# Altium PCB Copy of GPS_TRACKER_REVII.PcbDoc (part 1 of 2) (continued)
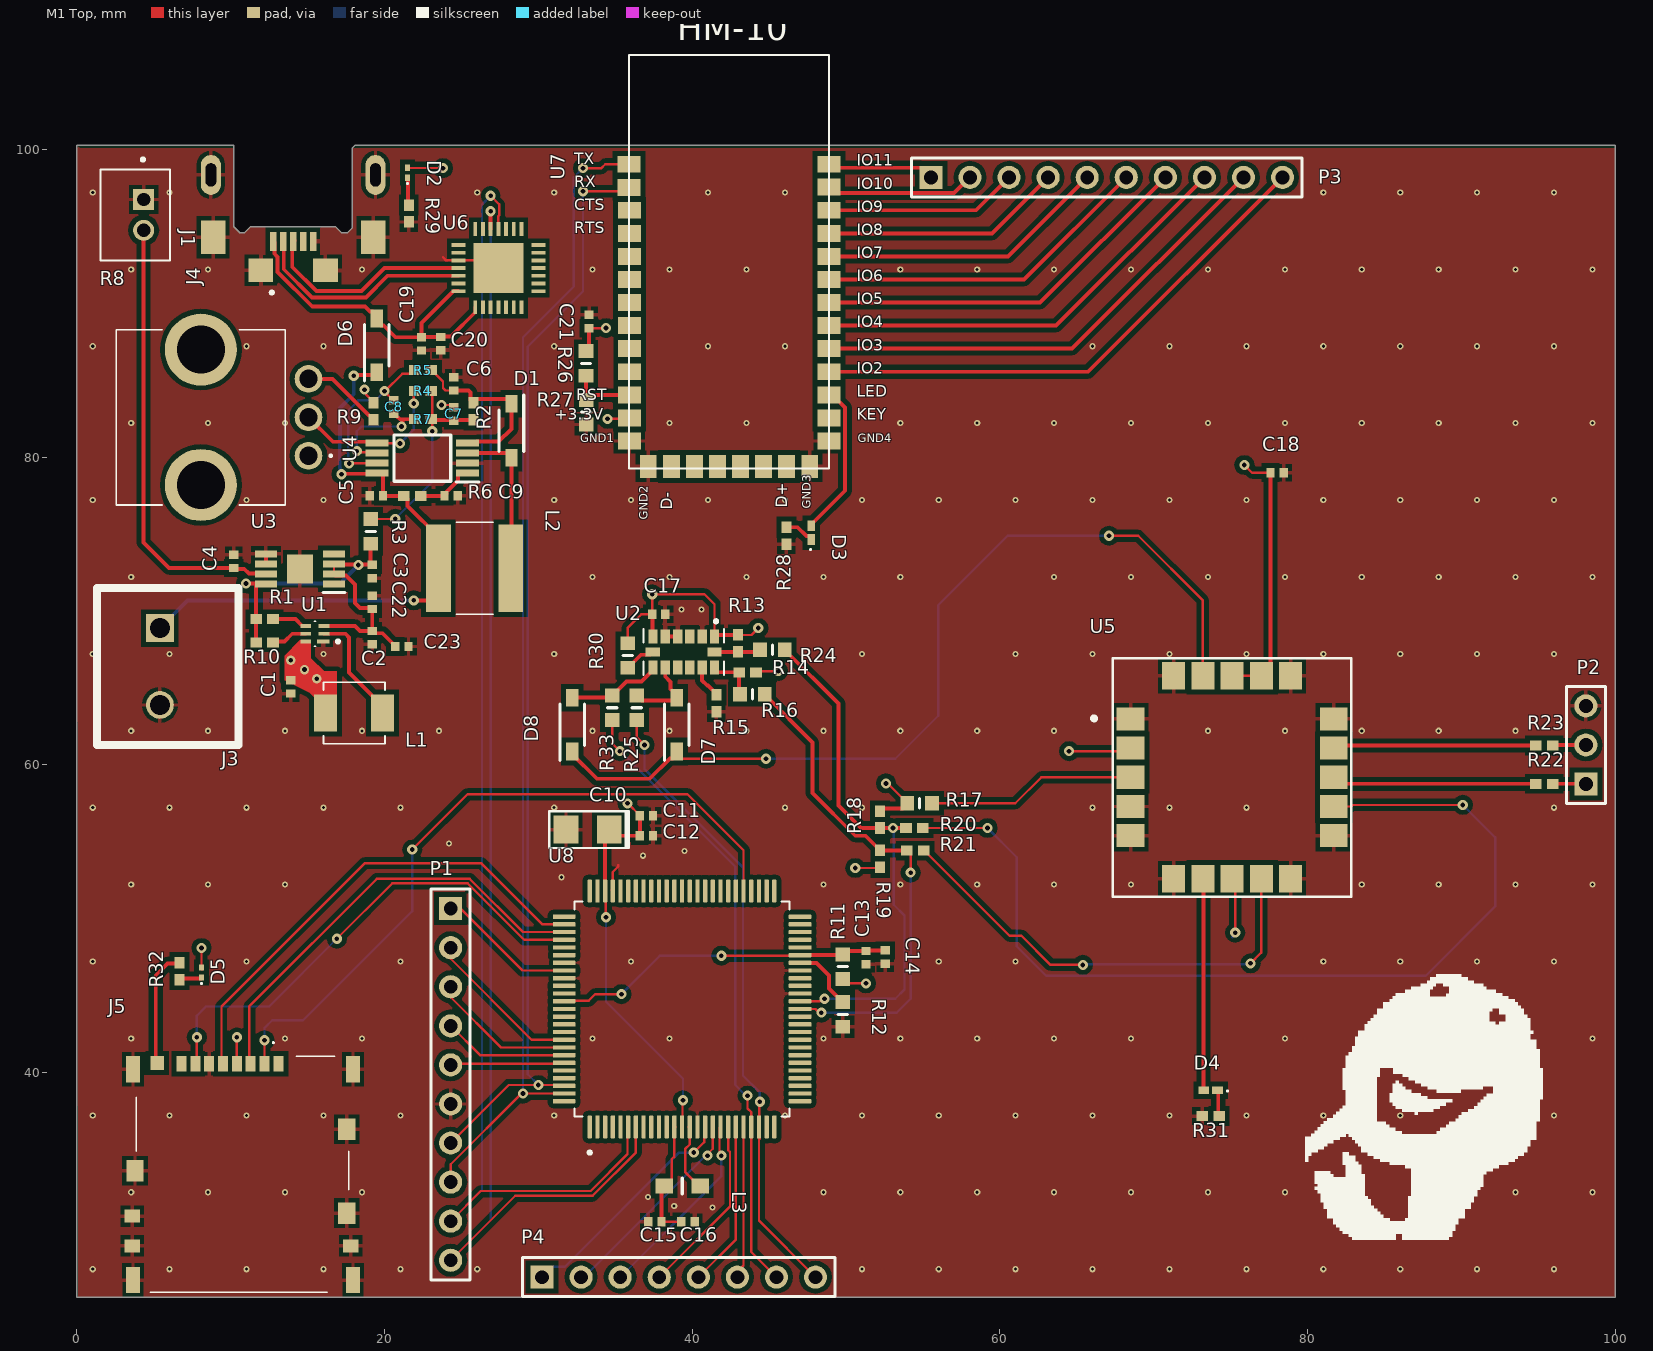
[diagram p0: M1 Top view]
## Components (designator, comment, footprint, x,y, rotation, side; value= is the part's Value field where it differs from the comment) (continued)
R19 "Resistor 0402 (1005 Metric)" "Thin-Film Resistor 0402 (1005 Metric)" 52.2,53.9 r270 top value=2.2k
R20 "Resistor 0402 (1005 Metric)" "Thin-Film Resistor 0402 (1005 Metric)" 54.45,55.875 r0 top value=22
R21 "Resistor 0402 (1005 Metric)" "Thin-Film Resistor 0402 (1005 Metric)" 54.5,54.4 r0 top value=22
R22 "Resistor 0402 (1005 Metric)" "Thin-Film Resistor 0402 (1005 Metric)" 95.4,58.8 r180 top value=470
R23 "Resistor 0402 (1005 Metric)" "Thin-Film Resistor 0402 (1005 Metric)" 95.4,61.3 r180 top value=470
R24 "Resistor 0603" "Resistor 0603" 45.2,67.5 r0 top value=0
R25 "Resistor 0603" "Resistor 0603" 36.4,63.7 r90 top value=0
R26 "Resistor 0603" "Resistor 0603" 33.104,86.116 r270 top value=0
R27 "Resistor 0603" "Resistor 0603" 33.104,82.916 r90 top value=0
R28 "Resistor 0402 (1005 Metric)" "Thin-Film Resistor 0402 (1005 Metric)" 46.1,74.9 r270 top value=390
R29 "Resistor 0402 (1005 Metric)" "Thin-Film Resistor 0402 (1005 Metric)" 21.55,95.85 r270 top value=390
R30 "Resistor 0603" "Resistor 0603" 35.8,67.1 r90 top value=0
R31 "Resistor 0402 (1005 Metric)" "Thin-Film Resistor 0402 (1005 Metric)" 73.7,37.2 r180 top value=390
R32 "Resistor 0402 (1005 Metric)" "Thin-Film Resistor 0402 (1005 Metric)" 6.7,46.6 r90 top value=390
R33 "Resistor 0603" "Resistor 0603" 34.8,63.7 r90 top value=0
U1 "MP2152GQFU-33-P" MP2152GQFU-33-P 15.5,68.6 r180 top
U2 "ADXL343" ADXL343 39.7,67.4 r270 top
U3 "LTC4071EMS8E#PBF" LTC4071EMS8E#PBF 14.514,72.7 r180 top
U4 "SPV1040TTR" SPV1040TTR 22.5,80 r180 top
U5 "SAM-M8" SAM-M8 75.1,59.2 r0 top
U6 "CP2102-GMR" CP2102-GMR 27.4,92.3 r0 top
U7 "HM-10" HM-10 42.3,92.1 r0 top
U8 "MSP432P401R" MSP432P401R 39.4,44 r90 top

## Footprints (in the part's own frame and the unit in brackets; to place one, negate y for a bottom-side part, rotate by r counter-clockwise, add the part's x,y. Pads: shape width x height; smd on the part's side, far side on the other; paste and mask are expansions set on the pad)
1206p [mm] "Chip Capacitor; Body 3.2 x 1.6 mm (LxW typ) polarized"
  rect 1.6x1.8 smd: 1(-1.4,0) 2(1.4,0)
  silkscreen extent -2.67,-1.2 2.5,1.2, body extent -1.6,-0.8 1.6,0.8, height 1
1255AY-100M=P3 [mm] "Fixed Inductors 10uH 56.4mOhms3.1A +/-20% 6.3x6.3x4.5mm"
  rect 1.6x5.7 smd: 1(-2.293,0.185) 2(2.407,0.185)
  silkscreen extent -1.14,-2.81 1.26,3.18, body extent -2.94,-2.81 3.06,3.18, height 4.6
693071030811 [mm] "9 (8 + 1) Position Card Connector Secure Digital - microSD™ Surface Mount, Right Angle Gold"
  rect 0.65x1 smd: 1(2.098,7.667) 2(1.198,7.667) 3(0.298,7.667) 4(-0.602,7.667) 5(-1.502,7.667) 6(-2.402,7.667) 7(-3.302,7.667) 8(-4.202,7.667)
  rect 0.9x0.9 smd: 9(-5.772,7.717)
  rect 1.13x1.4 smd: 10(-7.222,0.717) G11(6.543,-2.033) H11(6.543,3.417)
  rect 0.9x1.7 smd: A11(-7.352,7.317) D11(-7.352,-6.383) E11(6.948,-6.383) J11(6.948,7.317)
  rect 1x0.85 smd: B11(-7.402,-2.233) C11(-7.402,-4.163) F11(6.798,-4.163)
  silkscreen extent -7.13,-7.18 6.67,9.09, body extent -7.82,-7.18 7.31,8.17, height 1.5
ADXL343 [mm]
  rect 0.92x0.61 smd: 1(-0.95,1.75) 2(-0.95,0.95) 3(-0.95,0.15) 4(-0.95,-0.65) 5(-0.95,-1.45) 6(-0.95,-2.25) 8(1.07,-2.25) 9(1.07,-1.45) 10(1.07,-0.65) 11(1.07,0.15) 12(1.07,0.95) 13(1.07,1.75)
  rect 0.61x0.92 smd: 7(0.06,-2.26) 14(0.06,1.76)
  silkscreen extent -2.04,-2.87 1.56,2.37, body extent -1.56,-2.75 1.69,2.25, height 1.02
APHHS1005LQBC/D-V [mm] "Standard LEDs - SMD 1.0X0.5MM"
  rect 0.7x0.5 smd: 1(-0.45,-0.05) 2(0.45,-0.05)
  silkscreen extent -1.15,-0.05 -1.05,0.05, body extent -0.5,-0.3 0.5,0.2, height 0.7
B2B-PH-K-S(LF)(SN) [mm] "Connector Header Through Hole 2 position 0.079\" (2.00mm)"
  rect 1.368x1.368 hole 0.86: 1(1.008,-0.091)
  round 1.368 hole 0.86: 2(-0.992,-0.091)
  silkscreen extent -2.94,-1.79 3.71,2.71, body extent -2.92,-1.82 2.98,2.68, height 5.54
CAPC1005X55N [mm] "2.2µF ±10% 6.3V Ceramic Capacitor X6S 0402 (1005 Metric)"
  rect 0.54x0.6 smd: 1(-0.459,0) 2(0.405,0)
  body extent -0.53,-0.25 0.47,0.25, height 0.55
CP2102-GMR [mm] "USB Bridge, USB to UART USB 2.0 UART Interface 28-QFN (5x5)"
  rect 0.9x0.25 smd: 1(-2.6,1.5) 2(-2.6,1) 3(-2.6,0.5) 4(-2.6,0) 5(-2.6,-0.5) 6(-2.6,-1) 7(-2.6,-1.5) 15(2.6,-1.5) 16(2.6,-1) 17(2.6,-0.5) 18(2.6,0) 19(2.6,0.5) 20(2.6,1) 21(2.6,1.5)
  rect 3.25x3.25 smd: 3(0,0)
  rect 0.25x0.9 smd: 8(-1.5,-2.55) 9(-1,-2.55) 10(-0.5,-2.55) 11(0,-2.55) 12(0.5,-2.55) 13(1,-2.55) 14(1.5,-2.55) 22(1.5,2.55) 23(1,2.55) 24(0.5,2.55) 25(0,2.55) 26(-0.5,2.55) 27(-1,2.55) 28(-1.5,2.55)
  body extent -2.5,-2.5 2.5,2.5, height 1
"Diode SOD-123-2" [mm]
  rect 1.15x0.8 smd: 1(-1.725,0) 2(1.775,0)
  silkscreen extent -2.3,-0.8 1.37,0.8, body extent -1.83,-0.8 1.88,0.8, height 1.35
HDR1X3 [mm] "Connector; Header; 3 Position"
  rect 1.5x1.5 hole 0.9: 1(0,0)
  round 1.5 hole 0.9: 2(2.54,0) 3(5.08,0)
  silkscreen extent -1.27,-1.27 6.35,1.27
HDR1X8 [mm] "Connector; Header; 8 Position"
  rect 1.5x1.5 hole 0.9: 1(0,0)
  round 1.5 hole 0.9: 2(2.54,0) 3(5.08,0) 4(7.62,0) 5(10.16,0) 6(12.7,0) 7(15.24,0) 8(17.78,0)
  silkscreen extent -1.27,-1.27 19.05,1.27
HDR1X10 [mm] "Connector; Header; 10 Position"
  rect 1.5x1.5 hole 0.9: 1(0,0)
  round 1.5 hole 0.9: 2(2.54,0) 3(5.08,0) 4(7.62,0) 5(10.16,0) 6(12.7,0) 7(15.24,0) 8(17.78,0) 9(20.32,0) 10(22.86,0)
  silkscreen extent -1.27,-1.27 24.13,1.27
HM-10 [mm] "BLE Module"
  rect 1.5x1.1 smd: 1(-6.4,6.95) 2(-6.4,5.45) 3(-6.382,3.961) 4(-6.382,2.461) 5(-6.382,0.961) 6(-6.382,-0.539) 7(-6.382,-2.039) 8(-6.382,-3.539) 9(-6.382,-5.039) 10(-6.382,-6.539) 11(-6.382,-8.039) 12(-6.382,-9.539) 13(-6.382,-11.039) 22(6.594,-11.039) 23(6.594,-9.539) 24(6.594,-8.039) 25(6.594,-6.539) 26(6.594,-5.039) 27(6.594,-3.539) 28(6.594,-2.039) 29(6.594,-0.539) 30(6.594,0.961) 31(6.594,2.461) 32(6.594,3.961) 33(6.594,5.461) 34(6.6,6.95)
  rect 1.1x1.5 smd: 14(-5.156,-12.689) 15(-3.657,-12.689) 16(-2.156,-12.689) 17(-0.657,-12.689) 18(0.844,-12.689) 19(2.344,-12.689) 20(3.844,-12.689) 21(5.344,-12.689)
  silkscreen extent -6.41,-12.84 6.59,14.06, body extent -6.41,-12.84 6.59,14.06, height 1.56
LQM21PN4R7NGRD [mm] "Fixed Inductors 0805 4.7uH +/-30% 30MHz 0.8A 0.23ohms"
  rect 1.15x1 smd: 1(-1.128,-0.025) 2(1.222,-0.025)
  silkscreen extent 0.05,-0.55 0.05,0.5, body extent -0.95,-0.65 1.05,0.6, height 1
LTC4071EMS8E#PBF [mm]
  rect 1.425x0.45 smd: 1(-2.198,0.925) 2(-2.198,0.275) 3(-2.198,-0.375) 4(-2.198,-1.025) 5(2.226,-1.025) 6(2.226,-0.375) 7(2.226,0.275) 8(2.226,0.925)
  rect 1.68x1.88 smd: 9(0.014,-0.05)
  silkscreen extent -2.91,1.5 -1.49,1.5, body extent -2.44,-1.55 2.46,1.45, height 1.1
MP2152GQFU-33-P [mm] "Switching Voltage Regulators 5.5V,2A,Sync Step-Down Converter with 25A IQ and Output Discharge in QFN and SOT563 Packages"
  rect 0.8x0.25 smd: 1(-0.521,0.573)
  rect 0.7x0.25 smd: 2(-0.571,0.073) 3(-0.571,-0.427) 4(0.629,-0.427) 5(0.629,0.073) 6(0.629,0.573)
  silkscreen extent -1.57,-0.73 0.08,0.87, body extent -0.57,-0.73 0.63,0.87, height 0.7
MSP432P401R [mm]
  rrect25% 1.47x0.28 smd: 1(-7.534,6.059) 2(-7.534,5.559) 3(-7.534,5.059) 4(-7.534,4.559) 5(-7.534,4.059) 6(-7.534,3.559) 7(-7.534,3.059) 8(-7.534,2.559) 9(-7.534,2.059) 10(-7.534,1.559) 11(-7.534,1.059) 12(-7.534,0.559) 13(-7.534,0.059) 14(-7.534,-0.441) 15(-7.534,-0.941) 16(-7.534,-1.441) 17(-7.534,-1.941) 18(-7.534,-2.441) 19(-7.534,-2.941) 20(-7.534,-3.441) 21(-7.534,-3.941) 22(-7.534,-4.441) 23(-7.534,-4.941) 24(-7.534,-5.441) 25(-7.534,-5.941) 51(7.806,-5.941) 52(7.806,-5.441) 53(7.806,-4.941) 54(7.806,-4.441) 55(7.806,-3.941) 56(7.806,-3.441) 57(7.806,-2.941) 58(7.806,-2.441) 59(7.806,-1.941) 60(7.806,-1.441) 61(7.806,-0.941) 62(7.806,-0.441) 63(7.806,0.059) 64(7.806,0.559) 65(7.806,1.059) 66(7.806,1.559) 67(7.806,2.059) 68(7.806,2.559) 69(7.806,3.059) 70(7.806,3.559) 71(7.806,4.059) 72(7.806,4.559) 73(7.806,5.059) 74(7.806,5.559) 75(7.806,6.059)
  rrect25% 0.28x1.47 smd: 26(-5.864,-7.611) 27(-5.364,-7.611) 28(-4.864,-7.611) 29(-4.364,-7.611) 30(-3.864,-7.611) 31(-3.364,-7.611) 32(-2.864,-7.611) 33(-2.364,-7.611) 34(-1.864,-7.611) 35(-1.364,-7.611) 36(-0.864,-7.611) 37(-0.364,-7.611) 38(0.136,-7.611) 39(0.636,-7.611) 40(1.136,-7.611) 41(1.636,-7.611) 42(2.136,-7.611) 43(2.636,-7.611) 44(3.136,-7.611) 45(3.636,-7.611) 46(4.136,-7.611) 47(4.636,-7.611) 48(5.136,-7.611) 49(5.636,-7.611) 50(6.136,-7.611) 76(6.136,7.729) 77(5.636,7.729) 78(5.136,7.729) 79(4.636,7.729) 80(4.136,7.729) 81(3.636,7.729) 82(3.136,7.729) 83(2.636,7.729) 84(2.136,7.729) 85(1.636,7.729) 86(1.136,7.729) 87(0.636,7.729) 88(0.136,7.729) 89(-0.364,7.729) 90(-0.864,7.729) 91(-1.364,7.729) 92(-1.864,7.729) 93(-2.364,7.729) 94(-2.864,7.729) 95(-3.364,7.729) 96(-3.864,7.729) 97(-4.364,7.729) 98(-4.864,7.729) 99(-5.364,7.729) 100(-5.864,7.729)
  silkscreen extent -9.3,-6.94 7.14,7.06, body extent -7.85,-7.92 8.15,8.08, height 1.6
PTV09A-4015U-A104 [mm] "Potentiometers PANEL CONTROL - 9MM-ST-CA 100 kohms 15 mm"
  round 1.8 hole 1.2: 1(-2.401,-6.058) 2(0.099,-6.058) 3(2.599,-6.058)
  round 4.68 hole 3.12: MH1(-4.301,0.942) MH2(4.499,0.942)
  silkscreen extent -5.6,-7.56 5.8,6.44, body extent -5.75,-6.56 5.96,6.44, height 15.6
"Resistor 0603" [mm]
  rect 0.9x0.95 smd: 1(-0.784,-0.004) 2(0.816,-0.004)
  silkscreen extent 0.02,-0.3 0.02,0.3, body extent -0.78,-0.4 0.82,0.4, height 0.55
SAM-M8 [mm]
  rect 1.8x1.5 smd paste-1.8: 1(-6.6,3.8) 2(-6.6,1.9) 3(-6.6,0) 4(-6.6,-1.9) 5(-6.6,-3.8) 11(6.6,-3.8) 12(6.6,-1.9) 13(6.6,0) 14(6.6,1.9) 15(6.6,3.8)
  rect 1.5x1.8 smd paste-1.8: 6(-3.8,-6.6) 7(-1.9,-6.6) 8(0,-6.6) 9(1.9,-6.6) 10(3.8,-6.6) 16(3.8,6.6) 17(1.9,6.6) 18(0,6.6) 19(-1.9,6.6) 20(-3.8,6.6)
  silkscreen extent -9.1,-7.77 7.74,7.74, body extent -7.75,-7.77 7.74,7.74, height 6.8
"Shielded Power Inductor" [mm]
  rect 1.5x2.4 smd: 1(-1.826,-0.023) 2(1.874,-0.023)
  silkscreen extent -1.98,-2.02 2.02,1.98, body extent -2.2,-2.01 2.25,2.05, height 1.8
SML-LX0201UPGC-TR [mm] "Standard LEDs - SMD 0201 SMD LEDs 520nm Green"
  rect 0.33x0.4 smd: 1(0,0.325) 2(0,-0.325)
  silkscreen extent -0.05,0.65 0.05,0.75, body extent -0.19,-0.33 0.19,0.33, height 0.56
SPV1040TTR [mm] "Switching Voltage Regulators Hi Eff Solar Charger MPPT 0.3V to 5.5V"
  rect 1.475x0.45 smd: 1(-2.891,1.033) 2(-2.891,0.383) 3(-2.891,-0.267) 4(-2.891,-0.917) 5(2.985,-0.917) 6(2.985,-0.267) 7(2.985,0.383) 8(2.985,1.033)
  silkscreen extent -3.63,-1.44 1.9,1.61, body extent -3.15,-1.44 3.25,1.56, height 1.2
TB001-500-02BE [mm] "2 Position Wire to Board Terminal Block Horizontal with Board 0.197\" (5.00mm) Through Hole"
  rect 1.8x1.8 hole 1.3: 1(-2.5,0)
  round 1.8 hole 1.3: 2(2.5,0)
  silkscreen extent -5.1,-4.1 5.1,5.1, body extent -5.45,-4 5.05,5, height 12.5
"Thin-Film Resistor 0402 (1005 Metric)" [mm]
  rect 0.75x0.65 smd: 1(-0.55,0.025) 2(0.55,0.025)
  body extent -0.5,-0.24 0.5,0.29, height 0.4
UJ2-MIBH-4-MSMT [mm] "USB - micro B USB 2.0 Receptacle Connector 5 Position Board Cutout, Surface Mount, Right Angle; Through Hole"
  rect 1.25x0.4 smd: 1(3.817,-0.538) 2(3.817,0.112) 3(3.817,0.762) 4(3.817,1.412) 5(3.817,2.062)
  oval 2.6x1.3 hole 0.7 slot 1.5 at 0 deg: S1(-0.508,6.112) S4(-0.508,-4.588)
  rect 2.2x1.6 smd: S2(3.542,5.962) S5(3.542,-4.438)
  rect 1.5x1.6 smd: S3(5.692,2.862) S6(5.692,-1.338)
  silkscreen extent 7.04,-0.73 7.24,-0.53, body extent -2.67,-4.74 6.03,6.26, height 0.9

## Part data
C1: "Capacitor X6S 0402 (1005 Metric)", Manufacturer="Samsung Electro-Mechanics", Manufacturer P/N=GRM155R60J106ME05J, Tolerance=20%, ComponentLink1Description=Datasheet, Price=$0.52, Vendor=Mouser, Vendor P/N=187-CL05A226MQ5N6J8
C2 C3 C4 C5 C6 C7 C22 C23: "Capacitor X6S 0402 (1005 Metric)", Manufacturer="Murata Electronics", Manufacturer P/N=GRM155R60J106ME05J, Tolerance=20%, ComponentLink1Description=Datasheet, Price=$0.15, Vendor=Mouser, Vendor P/N=81-GRM155R60J106ME05
C8 C18 C20: "Capacitor X6S 0402 (1005 Metric)", Manufacturer="Murata Electronics", Manufacturer P/N=GRM155R70J105KA12J, Tolerance=10%, ComponentLink1Description=Datasheet, Price=$0.11, Vendor=Mouser, Vendor P/N=81-GRM155R70J105KA2J
C9 C11 C12 C13 C14 C15 C17 C19: "Capacitor X6S 0402 (1005 Metric)", Manufacturer="Murata Electronics", Manufacturer P/N=GRM155R71H104KE14D, Tolerance=10%, ComponentLink1Description=Datasheet, Price=$0.10, Vendor=Mouser, Vendor P/N=81-GRM155R71H104KE4D
C10: "1206 Polarized Chip Capacitor - Standard"
C16: "Capacitor X6S 0402 (1005 Metric)", Manufacturer=TDK, Manufacturer P/N=C1005X5R0J475K050BE, Tolerance=10%, ComponentLink1Description=Datasheet, Price=$0.43, Vendor=Mouser, Vendor P/N=810-C1005X5R0J475KE
C21: "Capacitor X7R 0402 (1005 Metric)", Manufacturer=AVX, Manufacturer P/N=0402YC104JAT2A, Tolerance=5%, ComponentLink1Description=Datasheet, Price=$0.72, Vendor=Mouser, Vendor P/N=581-0402YC104JAT2A
D1 D6 D7 D8: "Schottky Diodes & Rectifiers REC SPCL SKTKY", Manufacturer="ON Semiconductor", ComponentLink1Description=Datasheet, ComponentLink1URL=https://www.mouser.com/datasheet/2/308/MBR0520LT1_D-1810808.pdf, Manufacturer P/N=SBR80520LT1G, Price=$0.43, Vendor=Mouser, Vendor P/N=863-SBR80520LT1G
D2 D5: "Standard LEDs - SMD 0201 SMD LEDs 520nm Green", Color=Green, Manufacturer=Lumex, ComponentLink1Description=Datasheet, ComponentLink1URL=https://www.mouser.com/datasheet/2/244/Lumex_07252017_SML-LX0201UPGC-TR%20(S-0)-1176641.pdf, I_forward="2 [mA]", Manufacturer P/N=SML-LX0201UPGC-TR, Price=$0.47, V_forward="2.7 [V]", Vendor=Mouser, Vendor P/N=696-SMLLX0201UPGCTR
D3 D4: "BLUE - Standard LEDs - SMD 1.0X0.5MM", Color=Blue, Manufacturer=Kingbright, ComponentLink1Description=Datasheet, ComponentLink1URL=https://www.mouser.com/datasheet/2/216/APHHS1005LQBC_D_V-1660377.pdf, I_forward="2 [mA]", Manufacturer P/N=APHHS1005LQBC/D-V, Price=$0.56, V_forward="2.65 [V]", Vendor=Mouser, Vendor P/N=604-APHHS1005LQBC/DV
J1: "Connector Header Through Hole 2 position 0.079\" (2.00mm)", Manufacturer="JST Sales America Inc.", ComponentLink2Description=Datasheet, ComponentLink2URL=https://www.jst-mfg.com/product/pdf/eng/ePH.pdf, Manufacturer P/N=B2B-PH-K-S(LF)(SN), Price=$0.17, Vendor="Digikey Corp", Vendor P/N=455-1704-ND
J3: library part TB001-500-02BE, "Fixed Terminal Blocks Terminal block, screw type, 5.00, horizontal, 2 poles, CUI Blue, slotted screw, PCB mount", Manufacturer="CUI Devices", ComponentLink1Description=DataSheet, ComponentLink1URL=https://www.cuidevices.com/product/resource/tb001-500.pdf, Manufacturer P/N=TB001-500-02BE, Price=$0.58, Vendor=Mouser, Vendor P/N=490-TB001-500-02BE
J4: "USB Connectors USB 2.0 micro B jack 5 pin HZ mid-mnt SMT", Manufacturer="CUI Devices", ComponentLink1Description=Datasheet, ComponentLink1URL=https://www.cuidevices.com/product/resource/uj2-mibh-4-msmt.pdf, Manfacturer P/N=UJ2-MIBH-4-MSMT-TR, Price=$1.05, Vendor=Mouser, Vendor P/N=490-UJ2-MIBH-4-MSMT
J5: "Memory Card Connectors WR-CRD_SMT_MicroSD_Push & Push - SW closes to ground", Manufacturer="Würth Elektronik", ComponentLink1Description=Datasheet, ComponentLink1URL=https://www.we-online.com/catalog/datasheet/693071030811.pdf, ComponentLink2Description="SD Card SPI Comms", ComponentLink2URL=https://components101.com/asset/sites/default/files/component_datasheet/Micro%20SD%20Card%20Datasheet.pdf, Manufacturer P/N=693071030811, Price=$3.76, Vendor=Mouser, Vendor P/N=710-693071030811
L1: "Shieled Power Inductor", Manufacturer="Wurth Elektronik", ComponentLink1Description=Datasheet, Manufacturer P/N=74437324010, Price=2.20, Series=WE-LHMI, Vendor=Mouser, Vendor P/N=710-74437324010
L2: "Fixed Inductors 10uH 56.4mOhms3.1A +/-20% 6.3x6.3x4.5mm", Manufacturer="Murata Electronics", Manufacturer P/N=1255AY-100M=P3, ComponentLink1Description=Datasheet, ComponentLink1URL=https://www.mouser.com/datasheet/2/281/product-1023225.pdf, Price=$0.47, Vendor=Mouser, Vendor P/N=81-1255AY-100MP3
L3: "Fixed Inductors 0805 4.7uH +/-30% 30MHz 0.8A 0.23ohms", Manufacturer="Murata Electronics", Tolerance="+/- 30%", ComponentLink1Description=Datasheet, ComponentLink1URL=https://www.mouser.com/datasheet/2/281/JELF243B-0026-1634204.pdf, Manufacturer P/N=LQM21PN4R7NGRD, Price=$0.32, Vendor=Mouser, Vendor P/N=81-LQM21PN4R7NGRDRD
P1 P3: "Header, 10-Pin", LatestRevisionDate=17-Jul-2002, LatestRevisionNote="Re-released for DXP Platform.", Publisher="Altium Limited"
P2: "Header, 3-Pin", LatestRevisionDate=17-Jul-2002, LatestRevisionNote="Re-released for DXP Platform.", Publisher="Altium Limited"
P4: "Header, 8-Pin", LatestRevisionDate=17-Jul-2002, LatestRevisionNote="Re-released for DXP Platform.", Publisher="Altium Limited"
R1 R4 R5 R6 R7 R10 R13 R14 R15: "Resistor, 0402 Package size", Manufacturer="Vishay / Dale", Tolerance=1%, ComponentLink1Description=Datasheet, Vendor=Mouser
  R1 R10: Manfacturer P/N=RCS0402100KFKED, Price=$0.12, Vendor P/N=71-RCS0402100KFKED
  R4: Manfacturer P/N=CRCW04021M00FKEDHP, Price=$0.14, Vendor P/N=71-CRCW04021M00FKEDH
  R5 R6 R7: Manfacturer P/N=CRCW04021K00FKEDHP, Price=$0.14, Vendor P/N=71-CRCW04021K00FKEDH
  R13 R14 R15: Manfacturer P/N=RCS040210K0FKED, Price=$0.12, Vendor P/N=71-RCS040210K0FKED
R2 R9 R18 R19 R20 R21 R22 R23: "Resistor, 0402 Package size", Manufacturer=Panasonic, Tolerance=1%, ComponentLink1Description=Datasheet, Vendor=Mouser
  R2: Manfacturer P/N=ERJ-2LWFR010X, Price=$0.39, Vendor P/N=667-ERJ-2LWFR010X
  R9: Manfacturer P/N=ERJ-2RKF4223X, Price=$0.10, Vendor P/N=667-ERJ-2RKF4223X
  R18 R19: Manfacturer P/N=ERJ-PA2F2201X, Price=$0.23, Vendor P/N=667-ERJ-PA2F2201X
  R20 R21: Manfacturer P/N=ERJ-PA2F22R0X, Price=$0.22, Vendor P/N=667-ERJ-PA2F22R0X
  R22 R23: Manfacturer P/N=ERJ-PA2F4700X, Price=$0.23, Vendor P/N=667-ERJ-PA2F4700X
R3 R11 R17 R26 R27: Manufacturer="Vishay / Dale", Manufacturer P/N=CRCW06030000Z0EA, Tolerance=*tolerance*, Price=$0.10, Vendor=Mouser, Vendor P/N=71-CRCW0603-0-E3
R8: "Potentiometers PANEL CONTROL - 9MM-ST-CA 100 kohms 15 mm", Manufacturer=Bourns, ComponentLink1Description=Datasheet, ComponentLink1URL=https://www.mouser.com/datasheet/2/54/ptv09-777818.pdf, Manufacturer P/N=PTV09A-4015U-A104, Price=$0.79, Vendor=Mouser, Vendor P/N=652-PTV09A-4015UA104
R12: Manufacturer="Vishay / Dale", Manufacturer P/N=TNPW060391K0BEEA, Temperature Coefficient=25ppm/C, Tolerance=0.1%, Price=$1.28, Vendor=Mouser, Vendor P/N=71-TNPW060391K0BEEA
R16 R24 R25 R30 R33: Tolerance=*tolerance*
R28 R29 R31 R32: "Resistor, 0402 Package size", Manufacturer=Yageo, Tolerance=1%, ComponentLink1Description=Datasheet, Manfacturer P/N=RC0402FR-07390RL, Price=$0.10, Vendor=Mouser, Vendor P/N=603-RC0402FR-07390RL
U1: "Switching Voltage Regulators 5.5V,2A,Sync Step-Down Converter with 25A IQ and Output Discharge in QFN and SOT563 Packages", Manufacturer="Monolithic Power Systems (MPS)", ComponentLink1Description=Datasheet, ComponentLink1URL=https://www.mouser.com/datasheet/2/277/MP2152-1624343.pdf, Manufacturer P/N=MP2152GQFU-33-P, Price=$1.45, Vendor=Mouser, Vendor P/N=946-MP2152GQFU-33-P
U2: "Accelerometer X, Y, Z Axis ±2g, 4g, 8g, 16g 0.05Hz ~ 1.6kHz 14-LGA (3x5)", Manufactuer P/N=ADXL343BCCZ-RL7, Manufacturer="Analog Devices Inc.", ComponentLink1Description=Datasheet, ComponentLink1URL=https://www.analog.com/media/en/technical-documentation/data-sheets/ADXL343.pdf, ComponentLink2Description="Breakout Board Schematics", ComponentLink2URL=https://cdn-learn.adafruit.com/downloads/pdf/adxl343-breakout-learning-guide.pdf, Price=$3.10, Vendor="Digikey Corps.", Vendor P/N=ADXL343BCCZ-RL7TR-ND
U3: "Battery Management Li-Ion/Polymer Shunt Battery Charger System with Low Battery Disconnect", Manufacturer="Analog Devices", ComponentLink1Description=Datasheet, ComponentLink1URL=https://www.mouser.com/datasheet/2/609/LTC4071-1775971.pdf, Manufacturer P/N=LTC4071EMS8E#PBF, Price=5.81, Vendor=Mouser, Vendor P/N=584-LTC4071EMS8E#PBF
U4: "Switching Voltage Regulators Hi Eff Solar Charger MPPT 0.3V to 5.5V", Manufacturer=STMicroelectronics, ComponentLink1Description=Datasheet, ComponentLink1URL=https://www.mouser.com/datasheet/2/389/cd00287506-1797268.pdf, Manufacturer P/N=SPV1040TTR, Price=$3.16, Vendor=Mouser, Vendor P/N=511-SPV1040TTR
U5: "SAM-M8Q RF Receiver Galileo, GLONASS, GPS 1.575GHz, 1.602GHz -165dBm 400kbps", Manufacturer=U-Blox, Manufacturer P/N=SAM-M8Q-0-10, ComponentLink1Description=Datasheet, ComponentLink1URL=https://www.u-blox.com/en/docs/UBX-16012619, ComponentLink2Description="Breakout Board Schematic", ComponentLink2URL=https://cdn.sparkfun.com/assets/3/c/2/2/e/SparkFun_Ublox_SAM-M8Q.pdf, ComponentLink3Description="U-Center Guide", ComponentLink3URL=https://www.u-blox.com/sites/default/files/u-center_Userguide_%28UBX-13005250%29.pdf, ComponentLink4Description="U-Blox Receiver Descripton / Protocol Specification", ComponentLink4URL=https://www.u-blox.com/sites/default/files/products/documents/u-blox8-M8_ReceiverDescrProtSpec_UBX-13003221.pdf, Price=$25.00, Vendor="Digikey Corp.", Vendor P/N=672-1054-2-ND
U6: "USB Bridge, USB to UART USB 2.0 UART Interface 28-QFN (5x5)", Manufacturer="Silicon Labs", ComponentLink1Description=Datasheet, ComponentLink1URL=https://www.silabs.com/documents/public/data-sheets/CP2102-9.pdf, Manufacturer P/N=CP2102-GMR, Price=$2.36, Vendor="LCSC Electronics", Vendor P/N=C6568
U7: "BLE Communication module, send/receive communications via UART", Manufacturer="DSD Tech", ComponentLink1Description=Datahseet, ComponentLink1URL=https://people.ece.cornell.edu/land/courses/ece4760/PIC32/uart/HM10/DSD%20TECH%20HM-10%20datasheet.pdf, ComponentLink2Description="Purchase Link", ComponentLink2URL=https://www.amazon.com/gp/product/B07589XCVN/ref=ppx_yo_dt_b_asin_title_o00_s00?ie=UTF8&psc=1, Manufacturer P/N=HM-10, Price=$7.99, Vendor=Amazon, Vendor P/N=HM-10
U8: "ARM® Cortex®-M4F MSP432™ Microcontroller IC 32-Bit 48MHz 256KB (256K x 8) FLASH 100-LQFP (14x14)", Manufactuer P/N=MSP432P401RIPZ, Manufacturer="Texas Instruments", ComponentLink1Description=Datasheet, ComponentLink1URL=https://www.ti.com/lit/ds/symlink/msp432p401r.pdf?HQS=dis-dk-null-digikeymode-dsf-pf-null-wwe&ts=1615260095027, Price=$9.32, Vendor="Digikey Corp.", Vendor P/N=296-46884-ND

## Via types
v1: diameter 0.4, hole 0.2, M1 Top to M4 Bottom, 221 vias
v2: diameter 0.66, hole 0.305, M1 Top to M4 Bottom, 61 vias
v3: diameter 0.61, hole 0.305, M1 Top to M4 Bottom, 3 vias

## Nets (pads, with @x,y where several pads share a name; then routed paths per layer and width w, separated by ;. In a path a pad name is that pad's centre, name@x,y a point inside that pad or via, vN(x,y) a via of type N, cw(c..) or ccw(c..) an arc to the next point about the centre after c; other vN are vias at no path point)
3v3: C1.2 C10.1 C11.2 C12.2 C17.2 C18.2 C21.2 D2.2 D5.2 J5.4 L1.1 R11.2 R13.2 R14.2 R17.2 R18.2 R19.2 R26.1 R30.2 U1.6 U2.1 U2.6 U5.2 U5.8 U5.17 U5.18 U7.12 U8.13 U8.73 | length 88.3
  M1 Top w0.152: D5.2@8.1,46.825 v2(8.1,48.1) ; J5.4@10.398,40.567 10.4,40.569 v2(10.4,42.3) ; D2.2@21.5,98.825 21.513,98.812 23.788,98.812 v2(23.8,98.8) ; C21.2@33.3,88.395 33.305,88.4 v2(34.4,88.4) ; U8.73@34.341,51.806 34.371,51.777 34.371,50.129 v2(34.4,50.1) ; v2(34.5,82.5) 35.858,82.5 U7.12@35.918,82.561 ; v2(35.8,57.5) 35.825,57.5 36.595,56.73 C11.2@36.595,56.7 ; R30.2@35.804,67.916 35.804,68.904 36.7,69.8 C17.2@37.395,69.8 37.4,69.805 v2(37.4,71.1) 40.8,71.1 41.45,70.45 U2.1@41.45,68.35 ; U8.13@39.328,36.479 39.371,36.522 39.371,38.171 v2(39.4,38.2) ; R13.2@42.975,68.45 43.85,68.45 v2(44.3,68.9) ; R14.2@44.15,66.025 44.225,66.1 v2(45.6,66.1) ; R11.2@49.796,46.084 50.08,45.8 v2(51.3,45.8) ; v2(50.6,53.3) 52.175,53.3 R19.2@52.225,53.35 ; v2(52.6,58.8) 52.713,58.8 53.984,57.529 R17.2@53.984,57.504 ; v2(64.5,60.9) 68.3,60.9 U5.2@68.5,61.1 ; U5.8@75.1,52.6 75.3,52.4 v2(75.3,49.1) ; U5.18@75.1,65.8 U5.17@77,65.8 ; v2(75.9,79.5) 76.4,79 C18.2@77.595,79
  M1 Top w0.254: D5.2@8.1,46.825 8.1,46.79 D5.2@8.138,46.752 ; C1.2@13.9,65.505 13.985,65.42 14.581,65.42 16.174,63.827 L1.1@16.174,63.377 ; R26.1@33.1,86.9 33.3,87.1 C21.2@33.3,88.395 ; U8.73@34.341,51.806 34.341,55.541 C10.1@34.6,55.8 35,55.4 C12.2@36.595,55.4 C11.2@36.595,56.7 ; C17.2@37.395,69.8 37.422,69.773 37.422,68.377 U2.6@37.45,68.35 ; U8.13@39.328,36.479 U8.13@39.341,36.466 ; U2.1@41.45,68.35 41.55,68.45 R13.2@42.975,68.45 ; R18.2@52.2,57 52.356,57.156 53.661,57.156 53.984,57.479 R17.2@53.984,57.504 ; U5.17@77,65.8 77.595,66.395 C18.2@77.595,79
  M4 Bottom w0.152: v2(34.4,50.1) 34.4,44.6 39.4,39.6 v2(39.4,38.2) ; 75.1,48.8 75.2,48.9 75.2,49 v2(75.3,49.1)
  other v3: 15.6,65.6 14.8,66.2 13.9,66.8
+5V: C19.2 C20.2 D6.2 J4.1 U6.7 U6.8 | length 22.1
  M1 Top w0.254: J4.1@12.762,94.033 12.835,93.96 12.835,93.23 13.041,93.024 13.041,92.059 15.3,89.8 18.725,89.8 19.052,89.473 19.227,89.473 19.5,89.2 D6.2@19.5,89.025 19.5,88.85 19.773,88.577 19.948,88.577 20.72,87.805 C19.2@22.4,87.805 ; U6.7@24.8,90.8 24.479,90.8 22.4,88.721 C19.2@22.4,87.805 ; U6.8@25.9,89.75 25.9,89.429 24.331,87.86 23.686,87.86 C20.2@23.65,87.824 23.64,87.815 22.41,87.815 C19.2@22.4,87.805
"Batt (+)": C4.2 J1.2 U3.7 | length 29.1
  M1 Top w0.254: J1.2@4.341,94.758 4.341,74.459 6,72.8 C4.2@10.2,72.8 10.253,72.747 10.881,72.747 11.194,72.433 12.28,72.433 U3.7@12.288,72.425
BLE_RXD: P1.7 U7.2 U8.98 | length 71.9
  M1 Top w0.152: P1.7@24.3,35.42 28.075,39.195 v2(30,39.195) 31.612,39.195 U8.98@31.671,39.136 ; v2(32.9,97.3) 35.65,97.3 U7.2@35.9,97.55
  M4 Bottom w0.152: v2(30,39.195) 29.305,39.89 29.305,87.205 32.9,90.8 v2(32.9,97.3)
BLE_TXD: P1.8 U7.1 U8.99 | length 75.3
  M1 Top w0.152: P1.8@24.3,32.88 24.3,34.036 28.9,38.636 v2(29,38.636) U8.99@31.671,38.636 ; v2(32.9,98.8) 34.1,98.8 34.35,99.05 U7.1@35.9,99.05
  M4 Bottom w0.152: v2(29,38.636) 29,87.8 32.3,91.1 32.3,98.2 v2(32.9,98.8)
"CHARGE VOLTAGE OUT": C2.2 C3.2 C22.2 C23.2 R1.2 R3.2 R10.2 U1.3 U3.2 U3.3 U3.8 | length 27.6
  M1 Top w0.152: U3.2@16.712,72.425 U3.3@16.712,73.075
  M1 Top w0.254: v2(11,71.8) 11.013,71.787 11.644,71.787 11.65,71.781 R1.2@11.65,69.475 R10.2@11.65,67.975 ; U1.3@16.071,69.027 18.078,69.027 18.4,68.705 C2.2@19.2,68.705 ; U3.2@16.712,72.425 16.81,72.327 17.493,72.327 18.078,71.742 18.078,70.522 18.4,70.2 19.136,70.2 C22.2@19.2,70.136 C2.2@19.2,68.705 ; U3.3@16.712,73.075 16.747,73.04 C3.2@19.165,73.04 ; R3.2@19.096,74.384 19.096,73.109 C3.2@19.165,73.04 ; C3.2@19.2,73.005 C3.2@19.165,73.04 ; C23.2@20.695,67.7 20.695,67.73 19.863,68.562 19.343,68.562 C2.2@19.2,68.705
  M4 Bottom w0.254: v2(11,71.8) 17.1,71.8 v2(18.3,73)
D+: J4.3 U6.4 | length 14.3
  M1 Top w0.254: J4.3@14.062,94.033 J4.3@14.135,94.106 ; J4.3@14.1,94.5 14.1,94.367 14,94.267 14,92.375 15.568,90.806 18.506,90.806 20,92.3 U6.4@24.8,92.3
D-: J4.2 U6.5 | length 14.5
  M1 Top w0.254: J4.2@13.412,94.033 13.448,93.997 13.448,92.227 15.275,90.4 18.798,90.4 20.198,91.8 U6.5@24.8,91.8
DCOR: R12.1 U8.44 | length 4.3
  M1 Top w0.254: U8.44@47.011,47.136 47.024,47.123 48.077,47.123 48.9,46.3 48.9,45.455 49.771,44.584 R12.1@49.796,44.584